# KiCad board emon36.kicad_pcb (continued)
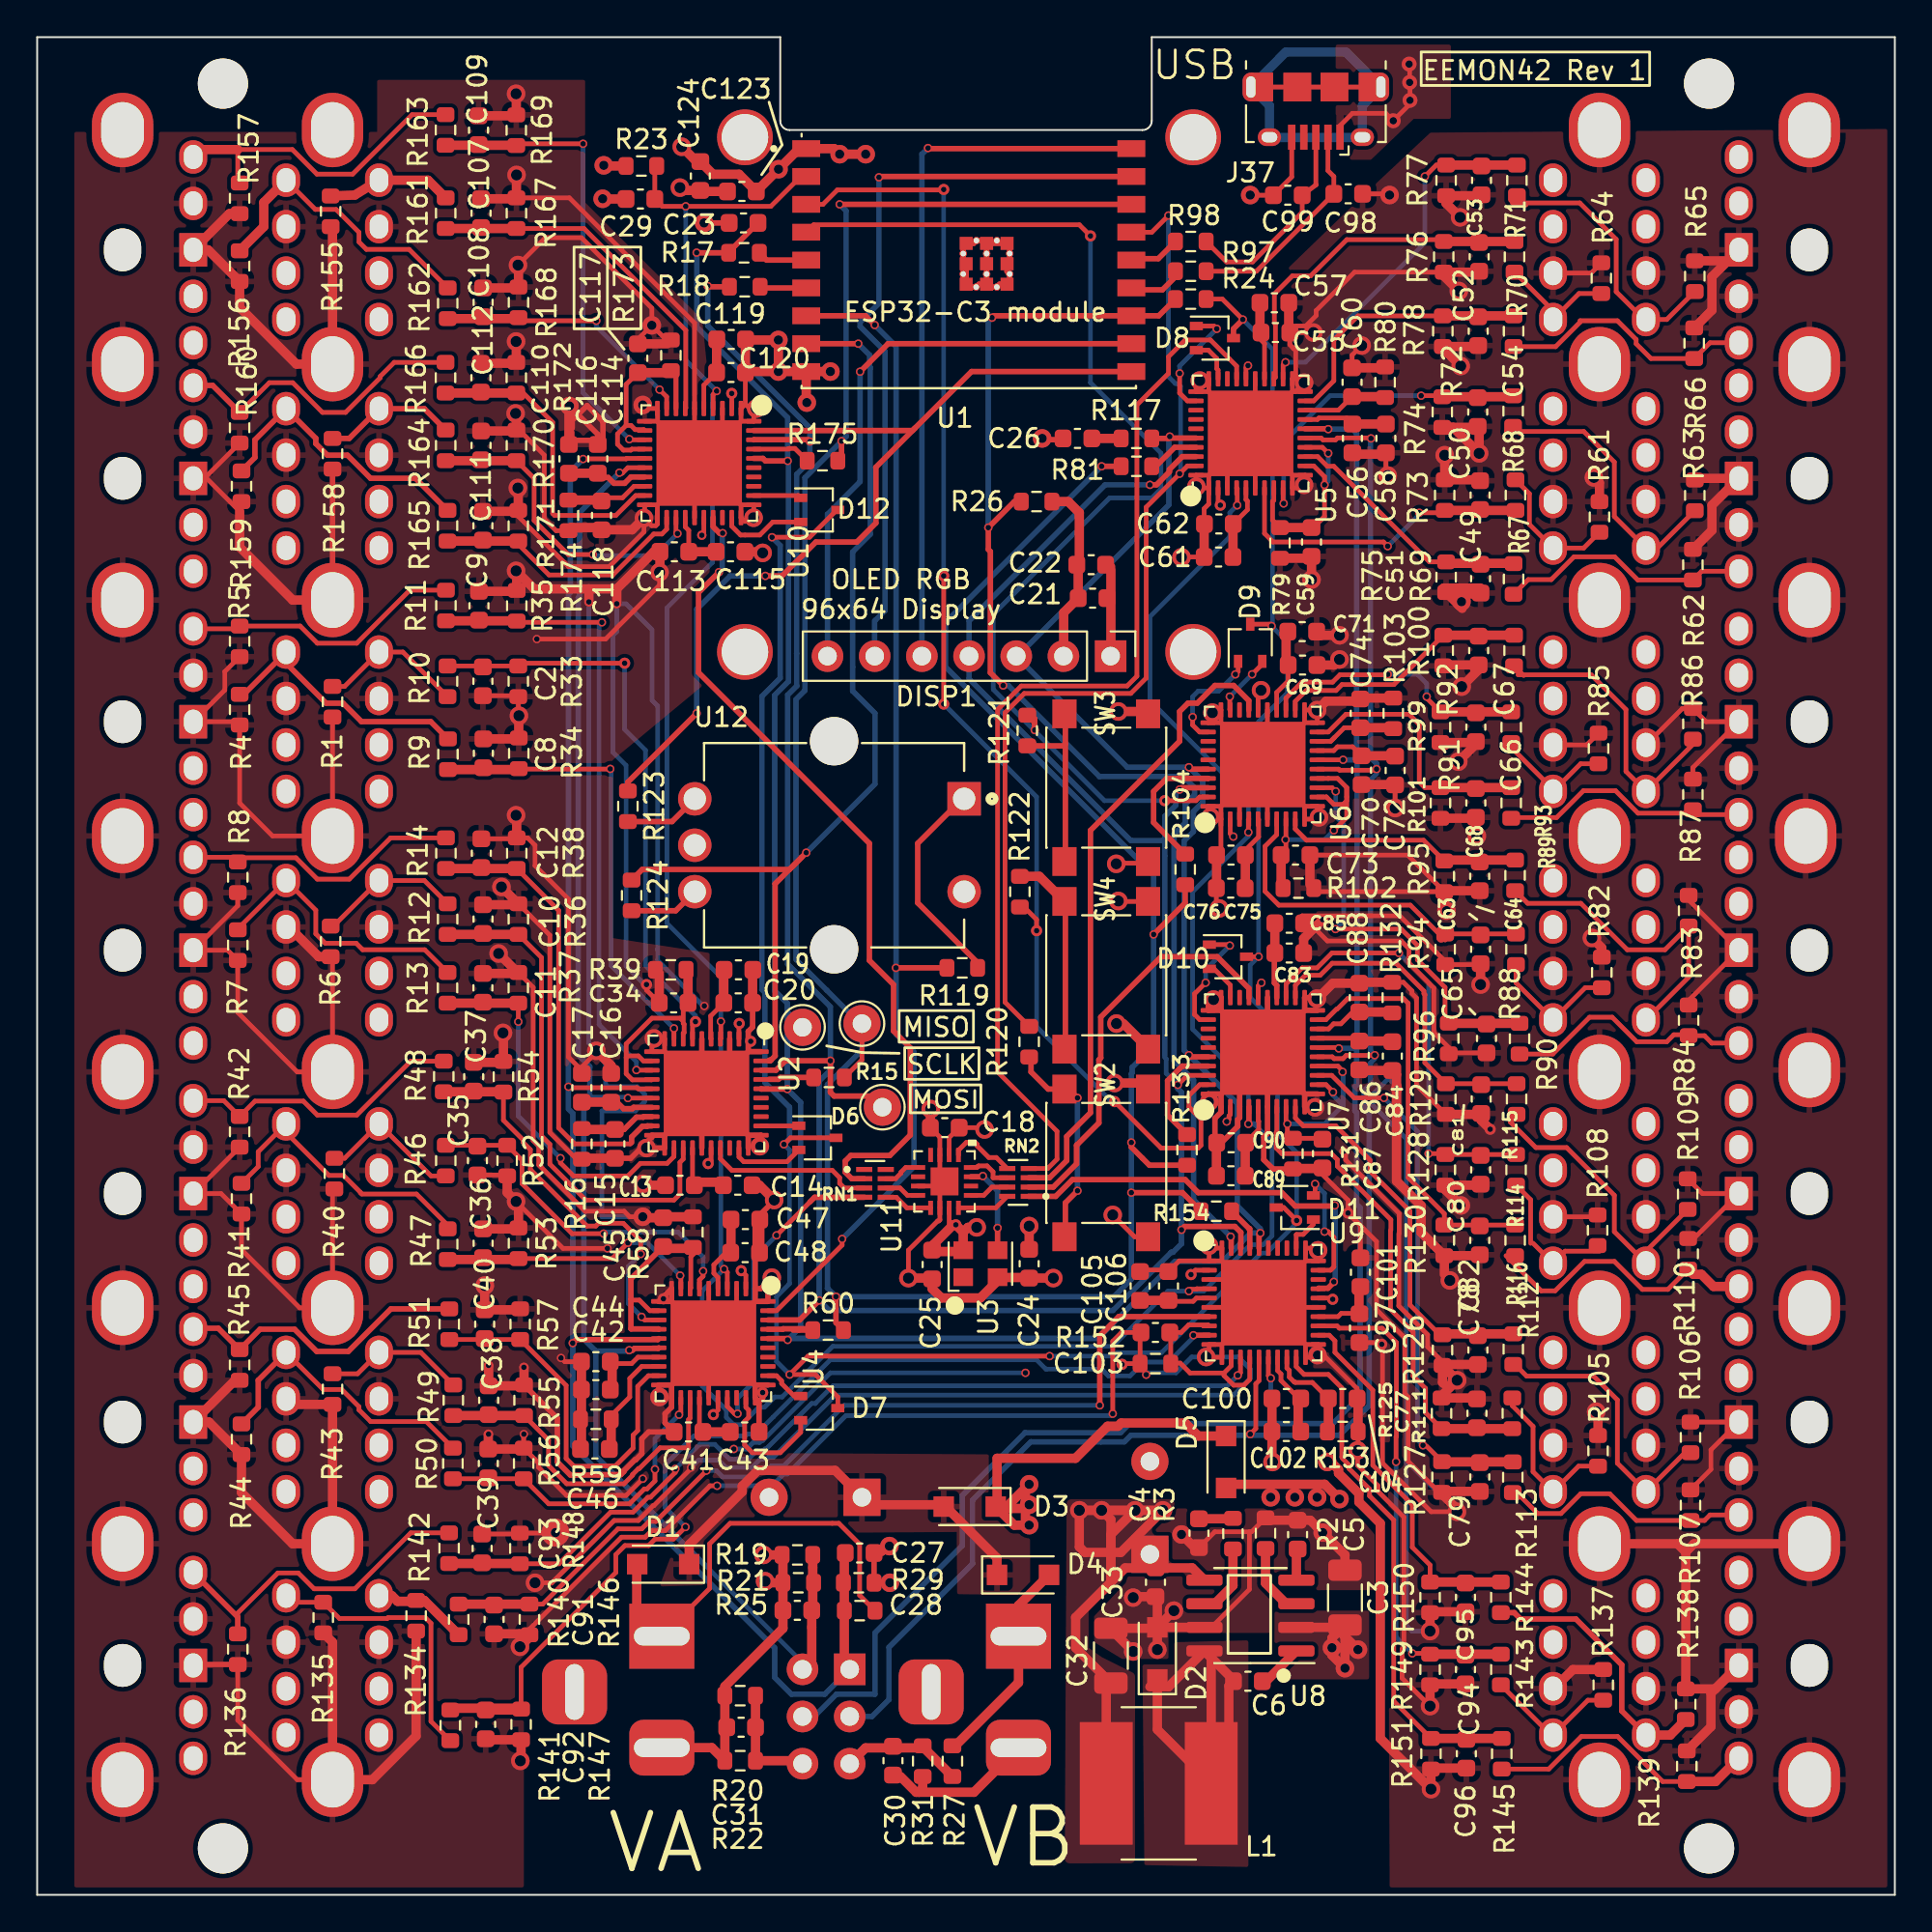
[diagram p0: board, top side]
## Routing (per net, layer and track width the routed paths; a pad name or vN(x,y) marks a point on that pad's centre or on a via; arc(x,y) is an arc through that point) (continued)
VBUS: length 13.6
  Top Layer w0.25: v7(73.85,98.55) 73.88,98.52 v7(73.88,97.56) 73.9,97.55 v7(73.9,96.6) 73.9,96.4 v7(73,95.5) 72.6,95.9 70.8,95.9 70.13,95.23 J37.1
  Top Layer w0.5: v2(70.1,21.3) 69.31,22.1 64.2,22.1
  vias: v2(66.4,21.4) v2(67.7,21.4) v2(68.9,21.4)
/CH0/IA_P: length 19.4
  Top Layer w0.25: U10.7 34.91,80.04 34.91,84.22 29.44,89.7 R167.1
  Top Layer w0.5: R161.2 R167.1
/CH0/IA_P_R: length 6.8
  Top Layer w0.5: R155.1 17.1,91.5 J16.35B 21.04,92.3 R161.1
/CH0/IABC_R: length 14
  Top Layer w0.25: 31.7,79.1 31.96,79.1 32.19,78.87 32.65,78.87 U10.12 ; 31.7,79.1 31.24,78.64 31.24,78.09 31.56,77.77 31.96,77.77 32.01,77.82 U10.14 ; 31.7,79.1 31.7,81.31 C117.1 34.22,81.94 ; 34.39,81.77 U10.8 34.39,81.69
  Top Layer w0.5: C117.1 34.01,81.94
/CH0/IB_P: length 14.1
  Top Layer w0.25: v3(30.1,84.73) 26.08,84.73 ; U10.9 33.89,80.64 v3(33.5,81.03)
  Top Layer w0.5: R162.2 25.86,84.85
  Bottom Layer w0.25: v3(30.1,84.73) 30.1,84.43 v3(33.5,81.03)
/CH0/IB_P_R: length 16.2
  Top Layer w0.25: J16.25B 14.98,90.73 16.09,90.73 17.33,89.49 17.33,88.97 17.72,88.58 20.02,88.58 R162.1
  Top Layer w0.5: J16.25B 12.2,91.1 12.2,89.8 R156.1
/CH0/IC_P: length 25.1
  Top Layer w0.25: U10.13 31.91,78.32 v3(31.88,78.36) ; v3(29.39,94.26) 25.88,94.26
  Top Layer w0.5: R163.2 25.78,94.18
  Bottom Layer w0.25: v3(31.88,78.36) 29.39,80.85 v3(29.39,94.26)
/CH0/IC_P_R: length 16.9
  Top Layer w0.25: R163.1 20.19,95.83 16.98,92.62 15.06,92.62 13.74,93.95 10.8,93.95 10.8,92.25 R157.1
  Top Layer w0.5: 10.8,93.95 8.8,93.95
/CH0/ID_P: length 17.3
  Top Layer w0.25: U10.23 34.39,73.36 v3(34.47,73.28) ; R170.1 26.75,76.25 26.75,73.99 28.59,72.15 v3(29.91,72.15)
  Top Layer w0.5: R164.2 R170.1
  Bottom Layer w0.25: v3(34.47,73.28) 33.27,72.09 29.98,72.09 v3(29.91,72.15)
/CH0/ID_P_R: length 7.2
  Top Layer w0.293: R164.1 20.84,80 J15.35A 16.8,78.4 R158.1
/CH0/IDEF_R: length 4.1
  Top Layer w0.25: U10.18 32.13,75.82 31.51,75.2 30.55,75.2
  Top Layer w0.5: R174.2 30.33,75.08
/CH0/IE_P: length 14.1
  Top Layer w0.25: 25.9,72.7 27.55,71.05 30.99,71.05 33.19,73.25 33.63,73.25 33.89,73.51 U10.22
  Top Layer w0.5: R165.2 R171.1
/CH0/IE_P_R: length 15.5
  Top Layer w0.293: R165.1 20.36,76.25 17.95,76.25 16.7,77.5 15.63,77.5 15,78.12 15,78.4 J15.25A 11.72,78.32 11.72,77.37 R159.1
/CH0/IF_P: length 16.8
  Top Layer w0.25: U10.19 32.22,75.32 31.15,74.26 27.85,74.26 27.75,74.36 27.75,79.26 26.17,80.84 R172.1
  Top Layer w0.5: R166.2 R172.1
/CH0/IF_P_R: length 16.7
  Top Layer w0.25: R166.1 19.22,82.49 18.46,81.74 18.46,81.66 16.6,79.8 15.36,79.8 13.76,81.4 12.5,81.4 R160.1
  Top Layer w0.294: R160.1 9.45,81.25 J15.5A
/CH0/IRQ0: length 4.7
  Top Layer w0.25: D12.2 39.6,73.9 38.9,73.2 37.86,73.2 37.39,73.68 U10.29
/CH0/IRQ1: length 2.6
  Top Layer w0.25: U10.32 40.98,75.32 D12.1
/CH0/MISO_R: length 3.2
  Top Layer w0.25: R175.1 40.79,77.86 40.48,77.86 40.45,77.82 U10.37
/CH0/REF: length 4.1
  Top Layer w0.293: 30.41,76.3 30.74,76.3 31.05,75.98 31.62,75.98 31.96,76.32 U10.17
  Top Layer w0.5: C116.1 30.18,76.53 C114.1
/CH1/IA_P: length 31.3
  Top Layer w0.25: 26.05,66.3 v5(31.62,66.3) ; R10.2 R33.1 ; v5(35.44,47.01) 35.28,46.85 U2.7
  Bottom Layer w0.25: v5(31.62,66.3) 31.62,62.74 32.75,61.61 32.75,50.01 35.44,47.33 v5(35.44,47.01)
/CH1/IA_P_R: length 8
  Top Layer w0.25: R10.1 19.69,66.9 J3.35B 16.55,65.05 R1.1
/CH1/IABC_R: length 11.4
  Top Layer w0.25: 34.7,47.1 34.61,47.19 33.09,47.19 31.71,45.81 31.71,45.07 ; 34.78,46.36 34.83,46.41 34.83,46.87 34.78,46.92 34.78,47.76 ; 31.71,45.07 31.8,45.16 32.36,45.16 32.63,44.89 U2.12 ; 31.71,45.07 31.71,44.2 32.04,43.87 33.07,43.87 U2.14
  Top Layer w0.5: C34.1 35.04,49.69
/CH1/IB_P: length 24.6
  Top Layer w0.25: U2.9 v3(34.28,46.64) ; 25.95,60.6 30.84,60.6 v3(30.85,60.61)
  Top Layer w0.5: R9.2 25.88,60.58
  Bottom Layer w0.25: v3(30.85,60.61) 30.9,60.56 30.9,50.02 v3(34.28,46.64)
/CH1/IB_P_R: length 13.6
  Top Layer w0.293: 11.12,64.63 J3.25B ; 13.4,66.3 15.56,64.15 16.46,64.15 17.46,63.15 21.19,63.15 R9.1
/CH1/IC_P: length 34.1
  Top Layer w0.25: U2.13 32.27,44.39 v3(32.26,44.4) ; v3(30.4,68.5) 25.88,68.5
  Top Layer w0.5: R11.2 25.8,68.58
  Bottom Layer w0.25: v3(30.4,68.5) 30.25,68.35 30.25,46.85 32.26,44.84 v3(32.26,44.4)
/CH1/IC_P_R: length 15
  Top Layer w0.25: J3.5B 10.75,68.15 ; R5.1 14.16,68.3 15.08,67.38 17.2,67.38 20.06,70.23 R11.1
/CH1/ID_P: length 27.4
  Top Layer w0.25: R36.1 27.15,50.46 27.15,40.85 27.6,40.4 27.6,39.34 29.54,37.4 34.28,37.4 34.6,37.72 34.6,39.43 34.78,39.61 U2.23
  Top Layer w0.5: R12.2 R36.1
/CH1/ID_P_R: length 7.7
  Top Layer w0.25: R12.1 20.84,54.6 J2.35A 15.95,52.15
/CH1/IDEF_R: length 4
  Top Layer w0.294: U2.18 32.65,41.89 32.62,41.86 32.26,41.86 31.6,41.2 C15.1
  Top Layer w0.5: C15.1 29.37,41.2
/CH1/IE_P: length 20.6
  Top Layer w0.25: U2.22 34.28,39.74 33.91,39.38 32.48,39.38 31.8,38.7 28.87,38.7 28.17,39.4 v3(28.17,39.65) ; R37.1 v3(25.9,47)
  Top Layer w0.5: R13.2 R37.1
  Bottom Layer w0.25: v3(25.9,47) 25.9,41.92 v3(28.17,39.65)
/CH1/IE_P_R: length 15.2
  Top Layer w0.25: 10.8,52 J2.25A 15,53 15,51.73 15.51,51.23 17.18,51.23 17.52,50.88 20.86,50.88 R13.1
/CH1/IF_P: length 24.7
  Top Layer w0.25: 32,40.5 31.93,40.43 28.93,40.43 28.07,41.28 28.07,52.99 R38.1
  Top Layer w0.294: 32,40.5 32,40.79 32.58,41.37 32.83,41.37 32.85,41.39 U2.19
  Top Layer w0.5: R38.1 R14.2
/CH1/IF_P_R: length 14.5
  Top Layer w0.25: J2.5A 10.55,55.85 ; 11.03,55.83 13.93,55.83 15.08,54.68 16.8,54.68 19.03,56.9 R14.1
/CH1/IRQ0: length 4.1
  Top Layer w0.25: U2.29 37.78,39.72 38.03,39.47 40.37,39.47 D6.2
/CH1/IRQ1: length 2
  Top Layer w0.25: D6.1 40.99,41.39 U2.32
/CH1/MISO_R: length 2.4
  Top Layer w0.293: R15.1 40,44 39.9,43.9 39.4,43.9
/CH1/REF: length 4
  Top Layer w0.294: 31.12,42.76 31.56,42.32 32.04,42.32 32.11,42.39 U2.17
  Top Layer w0.5: 31.12,42.67 29.32,42.67
/CH2/IA_P: length 18.9
  Top Layer w0.25: v3(30.49,35.59) 28.79,35.59 26.1,38.29 26.1,39.55 R52.1 R46.2 ; U4.7 35.65,33.1 35.85,33.3 v3(35.85,33.57)
  Bottom Layer w0.25: v3(30.49,35.59) 30.58,35.68 34.51,35.68 35.85,34.33 v3(35.85,33.57)
/CH2/IA_P_R: length 7.9
  Top Layer w0.25: R40.1 16.55,39.65 J6.35B 21.2,38.7 R46.1
/CH2/IABC_R: length 12.1
  Top Layer w0.25: 31.96,32.06 32.01,32.02 32.42,32.02 32.99,31.44 U4.12 ; U4.8 35.19,32.67 35.19,34.35 35.41,34.57 35.3,34.68
  Top Layer w0.294: U4.14 33.44,30.46 31.98,30.46 31.96,30.48 31.96,33.16 33.6,34.8
  Top Layer w0.5: 33.6,34.8 35.28,34.8
/CH2/IB_P: length 14.1
  Top Layer w0.25: v3(34.61,33.34) 34.65,33.3 U4.9 ; v3(31.8,35.1) 30.95,34.25 26.11,34.25
  Top Layer w0.5: R47.2 25.86,34.2
  Bottom Layer w0.25: v3(34.61,33.34) 32.85,35.1 v3(31.8,35.1)
/CH2/IB_P_R: length 15.2
  Top Layer w0.25: R41.1 11.9,39.2 11.9,40 J6.25B ; 13.4,41.03 15.71,38.73 16.49,38.73 17.4,37.82 17.4,37.8 17.47,37.73 20.42,37.73 22.29,35.85
/CH2/IC_P: length 21.3
  Top Layer w0.25: R54.1 25.1,41.7 26.15,40.65 26.15,40.51 26.55,40.11 26.55,39.05 29.6,36 30.07,36 30.22,36.15 31.55,36.15 32.49,35.21 v3(32.49,34.5) ; U4.13 32.7,30.94 v3(32.53,31.11)
  Top Layer w0.5: R54.1 25.09,43.23 R48.2
  Bottom Layer w0.25: v3(32.49,34.5) 31.83,33.83 31.83,31.82 v3(32.53,31.11)
/CH2/IC_P_R: length 16
  Top Layer w0.25: J6.5B 10.05,42.75 R42.1 11.73,42.73 14.33,42.73 15.08,41.98 17.2,41.98 20.11,44.88 22.19,44.88
/CH2/ID_P: length 18.5
  Top Layer w0.25: U4.23 35.15,25.67 35.06,25.58 35.06,24.06 33.53,24.06 32.42,22.95 32.37,22.95 32.05,22.63 32.05,22.59 31.59,22.13 28.51,22.13 27.53,23.11 27.53,24.48 R55.1
  Top Layer w0.5: R49.2 R55.1
/CH2/ID_P_R: length 7.7
  Top Layer w0.25: R49.1 20.65,29.2 J5.35A 17.25,28.05 R43.1
/CH2/IDEF_R: length 5.6
  Top Layer w0.25: 31,25.9 31.9,26.8 31.9,27.8 32.54,28.44 U4.18
  Top Layer w0.5: R59.2 30.9,24.1
/CH2/IE_P: length 17
  Top Layer w0.25: v3(33.26,22.9) 33.26,22.28 32.83,21.85 32.69,21.85 31.89,21.05 27.54,21.05 R56.1 R50.2 ; v3(34.55,25.85) 34.65,25.94 U4.22
  Bottom Layer w0.25: v3(33.26,22.9) 33.26,24.55 v3(34.55,25.85)
/CH2/IE_P_R: length 16.1
  Top Layer w0.25: R50.1 20.95,25.48 17.95,25.48 17.32,26.11 17.32,26.28 16.4,27.2 15.4,27.2 J5.25A
  Top Layer w0.294: R44.1 11.9,26.25 11.9,27.7 J5.25A
/CH2/IF_P: length 20.2
  Top Layer w0.25: R57.1 28.47,27.42 28.47,23.49 28.9,23.07 30,23.07 30.02,23.09 31.13,23.09 32.08,24.05 32.08,24.75 32.33,25 32.33,27.37 32.9,27.94 U4.19 ; R51.2 26,29.89
/CH2/IF_P_R: length 16.1
  Top Layer w0.294: 8.5,30.5 9.75,30.5 R45.1 12,30.45 13.85,30.45 15.05,29.25 16.75,29.25 19.04,31.54 R51.1
/CH2/IRQ0: length 7
  Top Layer w0.25: D7.2 41.1,24.9 40,23.8 38.5,23.8 38.08,24.22 38.08,25.48 38.3,25.7 38.3,26.1 38.15,26.25 U4.29
/CH2/IRQ1: length 2.3
  Top Layer w0.25: U4.32 39.8,27.94 40.08,27.67 40.08,27.52 40.75,26.85 D7.1
/CH2/MISO_R: length 3.4
  Top Layer w0.293: 40.7,30.4 R60.1 ; U4.37 40.13,30.44 40.15,30.47 41.68,30.47
/CH2/REF: length 4.2
  Top Layer w0.25: 30.95,28.6 32,28.6 32.34,28.94 U4.17
  Top Layer w0.5: 30.95,28.6 30.95,27.1
/CH3/IA_P: length 17.1
  Top Layer w0.25: v3(74.4,74.4) 75.64,74.4 R73.1 ; v3(72.7,72.6) 72.48,72.83 66.53,72.83 66.07,73.28 U5.7
  Top Layer w0.5: R73.1 R67.2
  Bottom Layer w0.25: v3(72.7,72.6) 74.4,74.3 v3(74.4,74.4)
/CH3/IA_P_R: length 7.4
  Top Layer w0.25: R67.1 80.33,75.42 80.33,73.77 J8.35B 83.25,72.5 R61.1
/CH3/IABC_R: length 11.6
  Top Layer w0.25: C59.1 68.7,73.6 69.3,74.2 69.3,76.34 68.72,76.92 U5.12 ; R79.2 66.5,74 66.5,75 66.57,75.07 U5.8 ; U5.14 69.18,77.92 v3(69.5,77.6)
  Top Layer w0.5: R79.2 C59.1
  Bottom Layer w0.25: v3(69.5,77.6) 69.5,76.1 v3(69.3,75.9)
/CH3/IB_P: length 17.5
  Top Layer w0.25: v3(67.1,74.9) 67.07,74.93 U5.9 ; R74.1 75.59,80.7 v3(74.5,80.7)
  Top Layer w0.5: R74.1 79.4,80.64
  Bottom Layer w0.25: v3(67.1,74.9) 67.1,78.2 69.6,80.7 v3(74.5,80.7)
/CH3/IB_P_R: length 15.2
  Top Layer w0.25: R62.1 87.22,72.5 ; 79.82,78.67 R68.1 ; 79.09,78.77 83.25,78.77 84.9,77.13 84.9,74.2 J8.25B
/CH3/IC_P: length 13.7
  Top Layer w0.25: U5.13 68.93,77.42 69.45,76.9 69.8,76.9 74.95,71.76 R75.1
  Top Layer w0.5: 75.67,71.68 79.46,71.68
/CH3/IC_P_R: length 13.7
  Top Layer w0.25: J8.5B 89.6,71.25 R63.1 86.17,70.78 84.92,72.03 82.73,72.03 81.5,70.8 80.26,70.8 R69.1
/CH3/ID_P: length 18.8
  Top Layer w0.25: U5.23 66.66,81.7 66.66,84.56 66.6,84.61 66.6,86.18 67.57,87.15 68.55,87.15 70.5,89.1 75.62,89.1 75.72,89
  Top Layer w0.5: 75.72,89 79.53,89
/CH3/ID_P_R: length 6.1
  Top Layer w0.25: R64.1 83,86.2 J7.35A ; 81.6,85.28 R70.1
/CH3/IDEF_R: length 4.6
  Top Layer w0.25: C60.1 70.05,79.92 U5.18 ; 72.51,80.65 R80.2
  Top Layer w0.5: C60.1 72.51,80.65
/CH3/IE_P: length 19.8
  Top Layer w0.25: v3(74.7,92.5) 75.32,93.12 R77.1 ; U5.22 67.07,82.37 ; 67.1,82.4 v3(67.2,82.5)
  Top Layer w0.5: R77.1 R71.2
  Bottom Layer w0.25: v3(67.2,82.5) 68.27,82.5 74.7,88.93 v3(74.7,92.5)
/CH3/IE_P_R: length 15.3
  Top Layer w0.25: R65.1 87.72,84.8 J7.25A ; 79.41,91.08 83.04,91.08 85,89.12 85,86.3 86.5,84.8 ; 80.15,90.97 R71.1
/CH3/IF_P: length 14.4
  Top Layer w0.25: R78.1 71.1,85 69.8,83.7 69.8,81.5 68.72,80.42 U5.19
  Top Layer w0.5: R78.1 R72.2
/CH3/IF_P_R: length 14.1
  Top Layer w0.25: R72.1 79.49,83.34 81.74,83.34 83.06,84.66 83.06,84.73 85.07,84.73 86.07,83.73 86.07,83.5 86.87,82.7 R66.1 90.05,83.55 J7.5A
/CH3/IRQ0: length 2.4
  Top Layer w0.25: D8.2 63.05,83.15 63.5,82.7 63.5,82.15 63.57,82.08 U5.29
/CH3/IRQ1: length 6.5
  Top Layer w0.25: v3(63.5,84.3) 63.35,84.45 D8.1 ; v3(61.5,81.9) 61.5,80.84 61.92,80.42 U5.32
  Bottom Layer w0.25: v3(63.5,84.3) 61.5,82.3 v3(61.5,81.9)
/CH3/MISO_R: length 2.6
  Top Layer w0.293: 60.21,76.9 61.23,77.92 U5.37
/CH3/REF: length 4.5
  Top Layer w0.25: U5.17 68.92,79.42 69,79.5 70.48,79.5 C56.1
  Top Layer w0.5: C56.1 C58.1
/CH4/IA_P: length 19
  Top Layer w0.25: U6.7 66.72,57.07 66.1,56.45 66.1,54.02 66.84,53.27 73.92,53.27 75.8,51.4 ; R88.2 R94.1
  Top Layer w0.5: 75.58,51.51 R94.1
/CH4/IA_P_R: length 7.1
  Top Layer w0.25: R82.1 83.33,48.83 J10.35B 79.61,49.09 R88.1
/CH4/IABC_R: length 13.1
  Top Layer w0.25: v3(69.8,57.3) 70.5,58 70.5,59.61 ; 70.5,59.61 70,60.1 69.51,60.1 69.5,60.1 U6.14 ; 70.5,59.61 70.5,59.11 70.5,59.11 70.5,58.9 70.3,58.7 69.8,58.7 69.4,59.1 69.4,59.1 U6.12 ; U6.8 67.22,56.23
  Top Layer w0.5: C73.1 66.96,54.3
  Bottom Layer w0.25: v3(67.2,56.8) 69.3,56.8 v3(69.8,57.3)
/CH4/IB_P: length 13
  Top Layer w0.25: R95.1 74.63,56.77 68.33,56.77 67.72,57.38 U6.9
  Top Layer w0.5: R89.2 75.8,55.7
/CH4/IB_P_R: length 17.2
  Top Layer w0.25: R89.1 80.24,53.37 83.1,53.37 85.6,50.87 87.62,50.87 R83.1 88.9,49.4 J10.25B
/CH4/IC_P: length 22.2
  Top Layer w0.25: U6.13 69.7,59.6 v3(69.9,59.4) ; 75.79,46.93 75.79,48.85 74.3,50.34 74.3,51.11 73.42,51.99 v3(69.89,51.99)
  Top Layer w0.5: R90.2 76,46.91
  Bottom Layer w0.25: v3(69.9,59.4) 69.9,58.05 70.33,57.62 70.33,52.43 v3(69.89,51.99)
/CH4/IC_P_R: length 13.5
  Top Layer w0.25: R90.1 81.59,45.26 83.57,47.24 84.79,47.24 86.1,45.92 87.72,45.92 88.1,46.3 88.85,46.3 R84.1 89.75,46.25 90.15,45.85 90.15,45.85 J10.5B
/CH4/ID_P: length 14.6
  Top Layer w0.25: U6.23 67.22,64.42 68.08,65.28 69.73,65.28 70.13,65.68 72.68,65.68 v3(72.7,65.7) ; v3(74.8,64.5) 74.8,64.42 R99.1
  Top Layer w0.5: R99.1 R91.2
  Bottom Layer w0.25: v3(72.7,65.7) 74.3,65.7 74.8,65.2 v3(74.8,64.5)
/CH4/ID_P_R: length 6.7
  Top Layer w0.25: R85.1 83.09,60.89 J9.35A ; 81.6,59.51 79.04,62.07
/CH4/IDEF_R: length 4.6
  Top Layer w0.25: C74.1 70.36,62.83 69.82,62.28 ; 69.82,62.28 69.68,62.15 ; 69.82,62.28 69.63,62.1 U6.18 ; 72.95,62.83 R103.2
  Top Layer w0.5: C74.1 72.95,62.83
/CH4/IE_P: length 13.7
  Top Layer w0.25: U6.22 67.72,64.24 68.31,64.83 69.92,64.83 70.24,65.15 73.04,65.15 R100.1
  Top Layer w0.5: R92.2 R100.1
/CH4/IE_P_R: length 16
  Top Layer w0.25: 80.02,65.64 R92.1 ; 79.72,65.68 83.65,65.68 85.52,63.8 85.52,60.48 J9.25A 89.13,61.93 R86.1
/CH4/IF_P: length 14.3
  Top Layer w0.25: R101.1 74.7,59.6 74.4,59.9 74.4,63 73.85,63.55 70.45,63.55 69.5,62.6 U6.19
  Top Layer w0.5: R101.1 R93.2
/CH4/IF_P_R: length 13.2
  Top Layer w0.25: J9.5A 89.39,58.15 ; 88.94,58.23 86.17,58.23 84.96,59.44 83.24,59.44 81.79,57.99 79.04,57.99
/CH4/IRQ0: length 3.4
  Top Layer w0.25: D9.2 65.95,66.25 v3(65.4,65.7) ; v3(64.2,64.5) 64.2,63.81 U6.29
  Bottom Layer w0.25: v3(65.4,65.7) v3(64.2,64.5)
/CH4/IRQ1: length 6.1
  Top Layer w0.25: D9.1 64.65,65.85 v3(64.5,65.7) ; U6.32 62.57,62.6 62.2,62.97 v3(62.2,63.4)
  Bottom Layer w0.25: v3(62.2,63.4) 62.2,64.5 62.5,64.8 63.6,64.8 v3(64.5,65.7)
/CH4/MISO_R: length 7.3
  Top Layer w0.293: R104.1 60.1,57.73 60.1,59.4 60.8,60.1 63.03,60.1 U6.37
/CH4/REF: length 4.5
  Top Layer w0.25: C70.1 70.81,61.8 70,61.8 69.8,61.6 U6.17
  Top Layer w0.5: C70.1 73.09,61.32
/CH5/IA_P: length 26.4
  Top Layer w0.25: 72.87,35.78 72.87,36.34 69.99,39.23 69.99,39.58 69.67,39.9 67,39.9 66.7,40.2 66.7,41.04 66.73,41.07 U7.7 ; R125.1 74.74,25.96 74.74,27.26 74.07,27.93 74.07,30.3 72.85,31.51 72.85,35.76
  Top Layer w0.5: R111.2 R125.1
/CH5/IA_P_R: length 8.9
  Top Layer w0.25: R105.1 82.98,23.08 J12.35B 80.53,22.78 80.53,25.21 79.41,26.33 R111.1
/CH5/IABC_R: length 12.4
  Top Layer w0.25: 69.66,43.2 69.66,43.34 69.38,43.61 U7.12 ; U7.14 70.02,44.61 70.33,44.3 70.27,44.3 v3(70.27,44.3) ; 67.46,40.73 69.14,40.73 C87.1 ; R131.2 67.3,41.03 v3(67.3,41.5) 67.23,41.57 U7.8
  Bottom Layer w0.25: v3(67.3,41.5) 69.3,41.5 70.3,42.5 ; 70.3,42.5 70.3,44.27 v3(70.27,44.3) ; 70.3,42.5 69.75,43.05 v3(69.75,43.21)
/CH5/IB_P: length 22.6
  Top Layer w0.25: 75.46,30.19 73.9,31.75 73.9,36.8 71.75,38.95 71.75,39.55 69.9,41.4 68.15,41.4 67.73,41.82 U7.9 ; R126.1 77.98,30.15
  Top Layer w0.5: R112.2 75.7,30.2
/CH5/IB_P_R: length 14.9
  Top Layer w0.25: 88.7,23.8 J12.25B 85.06,23.24 85.06,26.64 83.78,27.93 80.17,27.93 79.55,28.55 R112.1
/CH5/IC_P: length 28.8
  Top Layer w0.25: v3(72.5,42.9) 70.9,42.9 69.69,44.11 U7.13 ; 75.62,23.32 74.79,24.16
  Top Layer w0.5: R113.2 75.64,23.3
  Bottom Layer w0.25: 74.05,41.35 v3(72.5,42.9) ; 74.05,41.35 74.2,41.2 ; 74.05,41.35 74.3,41.1 74.3,24.5 v3(74.6,24.2)
/CH5/IC_P_R: length 13.8
  Top Layer w0.25: R113.1 79.65,21.65 80.77,20.53 82.02,20.53 83.09,21.59 84.65,21.59 86.09,20.15 R107.1 89.75,20.15 90.05,20.45 J12.5B
/CH5/ID_P: length 23.7
  Top Layer w0.25: v3(74.9,39.9) 75.75,39.9 R128.1 R114.2 ; v3(73.3,50.7) 69.7,50.7 68.9,49.9 68.1,49.9 67.23,49.03 U7.23
  Bottom Layer w0.25: v3(74.9,39.9) 74.9,49.1 v3(73.3,50.7)
/CH5/ID_P_R: length 7.7
  Top Layer w0.25: 80.53,35.08 J11.35A 82.25,34.65 84.1,34.65 ; 80.4,35.08 80.4,37.42 R114.1
/CH5/IDEF_R: length 4.4
  Top Layer w0.25: U7.18 69.51,46.61 69.79,46.89 70.18,46.89 71.12,47.83
  Top Layer w0.5: 71.17,47.52 72.9,47.52
/CH5/IE_P: length 18
  Top Layer w0.25: U7.22 67.73,48.97 68.27,49.5 69.07,49.5 69.71,50.15 73.15,50.15 74.65,48.65 74.65,48.51 74.7,48.46 74.7,44.79 R129.1 R115.2
/CH5/IE_P_R: length 15.3
  Top Layer w0.25: R115.1 79.64,41.94 79.3,41.6 80.67,40.23 82.33,40.23 84.9,37.66 84.9,35.7 J11.25A ; R109.1 86.6,34.65
/CH5/IF_P: length 22
  Top Layer w0.25: R116.2 R130.1 75.75,36.66 73.8,38.61 73.8,48 73.55,48.25 70.55,48.25 69.98,47.68 ; 69.95,47.69 69.38,47.11 U7.19
/CH5/IF_P_R: length 15.4
  Top Layer w0.25: 79.07,34.41 80.96,32.51 81.71,32.51 83.3,34.1 84.9,34.1 86.41,32.59 87.78,32.59 R110.1
  Top Layer w0.5: J11.5A 90.24,32.75 89.59,33.4 89.15,33.4 R110.1
/CH5/IRQ0: length 2.2
  Top Layer w0.25: U7.29 64.23,48.97 63.35,49.85 D10.2
/CH5/IRQ1: length 6.5
  Top Layer w0.25: D10.1 64.15,51.15 v3(64.2,51.1) ; U7.32 62.58,47.11 62.31,47.39 62.31,48.51 v3(62.9,49.1)
  Bottom Layer w0.25: v3(64.2,51.1) 62.9,49.8 v3(62.9,49.1)
/CH5/MISO_R: length 5.9
  Top Layer w0.293: U7.37 61.63,44.61 60.85,43.83 60.85,41.98 R133.1
/CH5/REF: length 3.9
  Top Layer w0.25: U7.17 71.02,46.11
  Top Layer w0.5: C86.1 72.94,45.96
/CH6/IA_P: length 49.3
  Top Layer w0.25: v3(36.02,22.84) 36.02,22.82 33.3,20.1 32.94,20.1 32.54,19.7 31.27,19.7 27.21,15.65 R146.1
  Top Layer w0.293: U9.7 58.22,31.13 57.2,30.1 v3(57.2,26.35)
  Top Layer w0.5: R140.2 R146.1
  Bottom Layer w0.25: v3(36.02,22.84) 36.56,22.84 36.9,22.5 38.6,22.5 39.1,23 39.44,23 39.54,23.1 40.2,23.1 43.45,26.35 v3(57.2,26.35)
/CH6/IA_P_R: length 5.2
  Top Layer w0.5: J14.35B 19.1,16.1 19.4,15.8 20.35,15.8 R134.1 20.84,15.85 R140.1
/CH6/IABC_R: length 11.2
  Top Layer w0.25: 63.89,28.09 62.06,28.09 61.53,28.62 60.95,28.62 ; 63.89,28.09 64.28,28.48 U9.12 ; 63.89,28.09 63.89,27.96 64.41,27.43 64.96,27.43 65.28,27.75 U9.14 ; U9.8 63.03,30.68 61.99,30.68 61.58,30.27 C103.1 ; R152.2 61.02,30.22
/CH6/IB_P: length 57.2
  Top Layer w0.25: v3(34.9,19.8) 34.25,19.15 33.26,19.15 32.92,18.8 31.64,18.8 31.15,18.31 31.15,17.35 26.05,12.25 R147.1
  Top Layer w0.293: U9.9 62.24,30.13 v3(62.24,30.12)
  Top Layer w0.5: 22.07,10.05 25.83,10.05 ; C92.1 26,9.95
  Bottom Layer w0.25: v3(62.24,30.12) 62.24,30.01 60.91,28.69 59.59,28.69 58.84,27.94 57.66,27.94 57.3,28.3 54.3,28.3 53.8,28.8 42.7,28.8 38.7,24.8 38.2,24.8 38.1,24.7 35.35,24.7 33.81,23.16 33.81,20.84 34.43,20.23 34.47,20.23 v3(34.9,19.8)
/CH6/IB_P_R: length 14.7
  Top Layer w0.25: 13.75,15.75 R135.1 16.27,14.88 18.85,14.88 18.89,14.93 20.89,14.93 21.2,14.62 21.2,9.34 R141.1